# Altium PCB IFAT6.PcbDoc (part 2 of 5)
Units mil, origin at the board's own origin, x right, y up, seen from the top; angles counter-clockwise.
Board outline 8050 x 4300 mil, 6 copper layers (Top Digital, Digital, GND, Analog 1, Analog 2, Bottom Analog), stack 61.068 mil thick; 589 components, 259 nets, 1804 pads, 310 vias.
Unrouted connection lines stored in the file: 819.
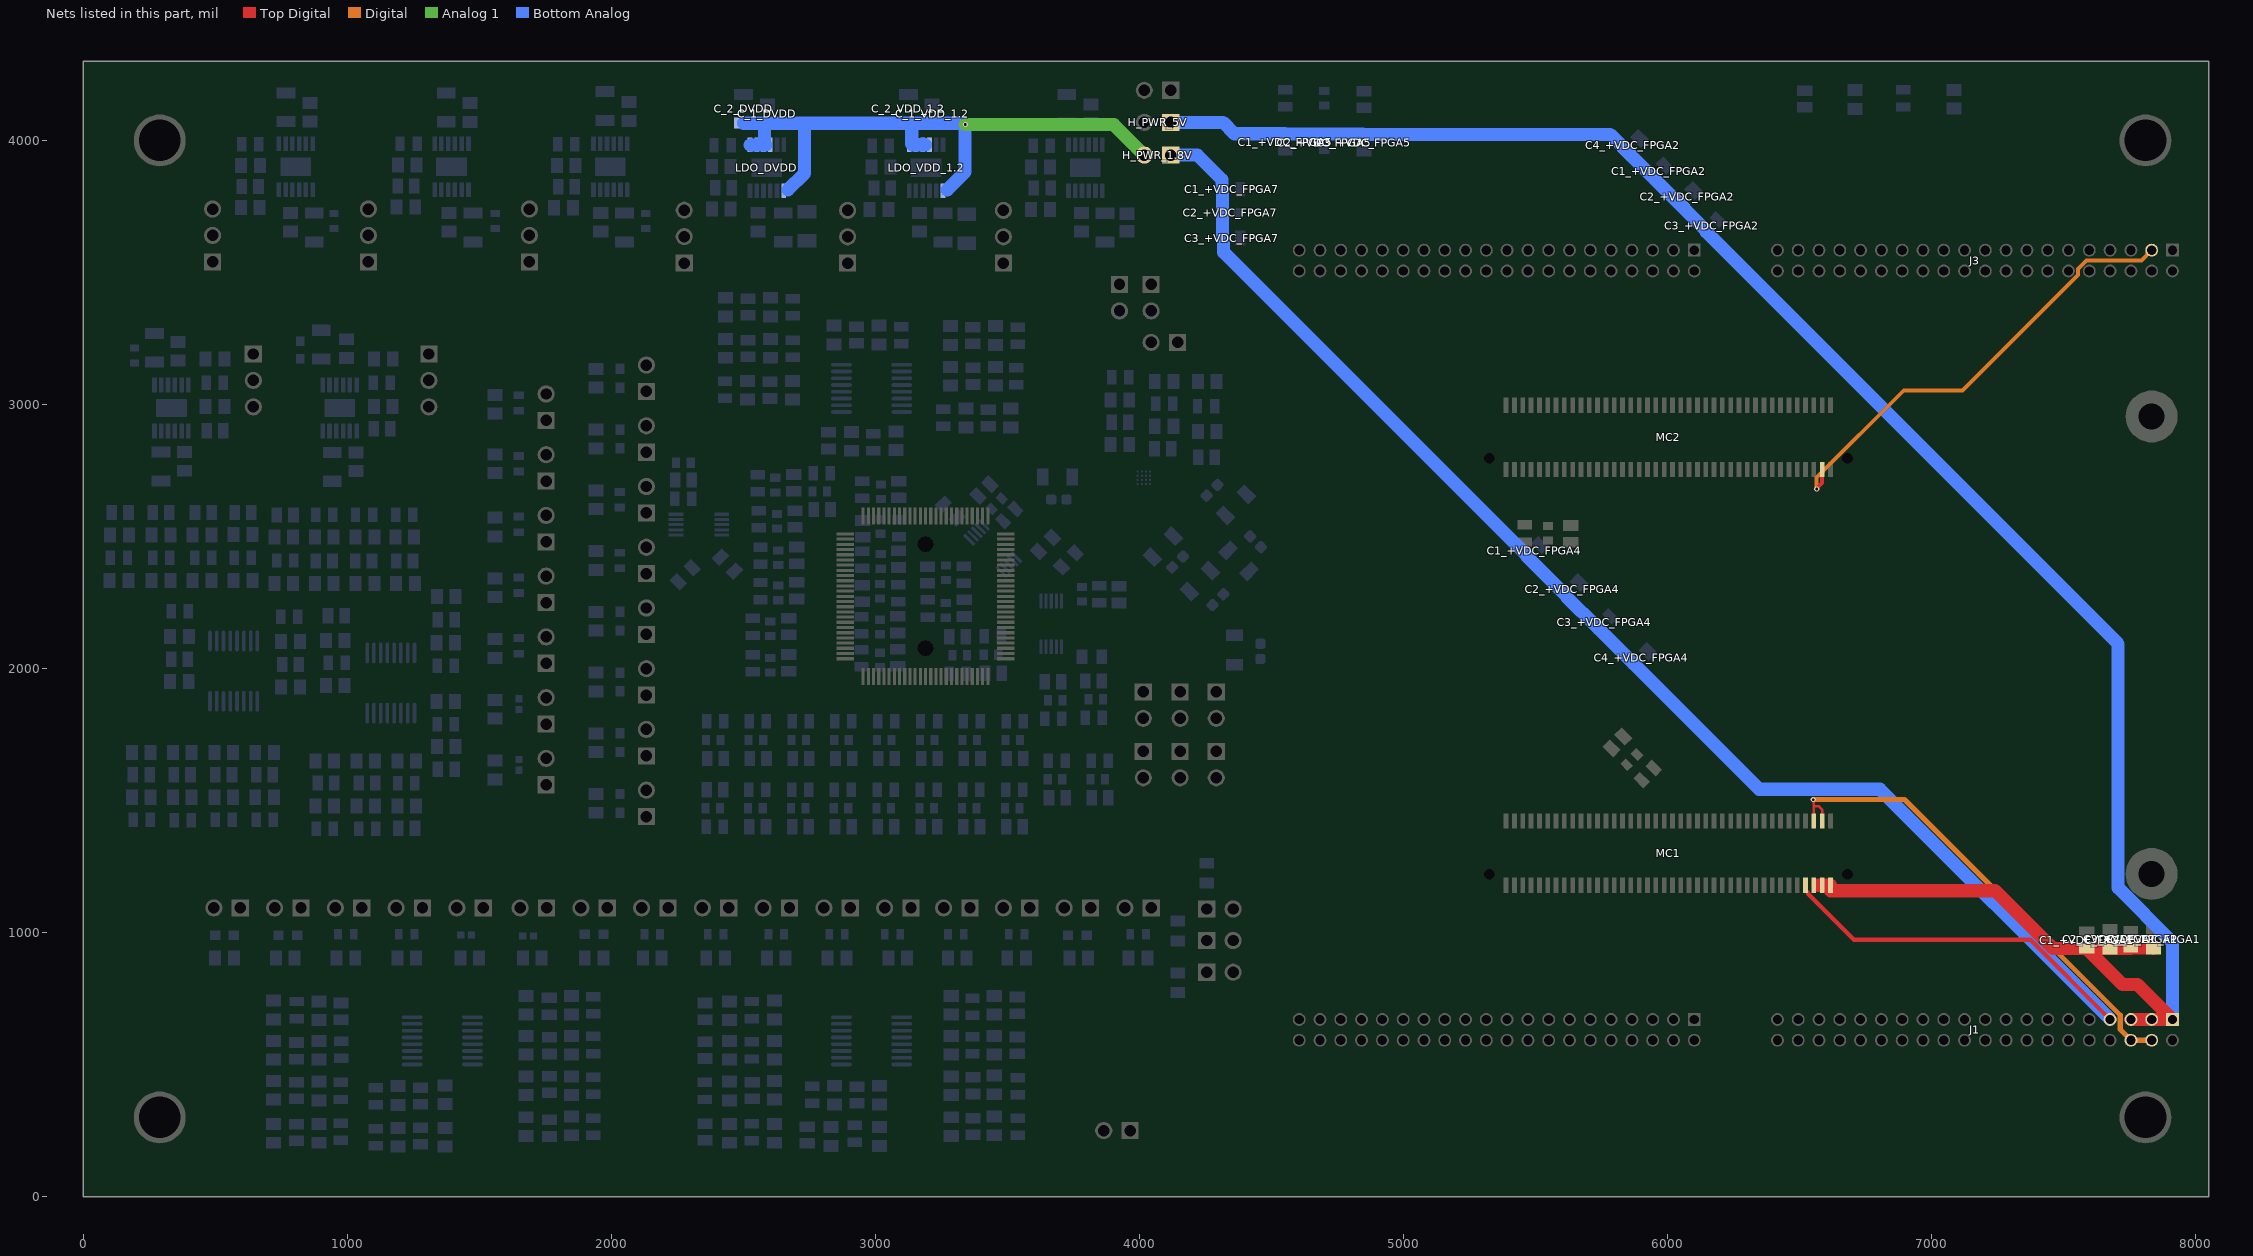
[diagram p6: the nets of this part, all layers, seen from the top]

## Components (designator, comment, footprint, x,y, rotation, side; value= is the part's Value field where it differs from the comment) (continued)
C4_VDC_DAC4 "Cap 100uF 0805" "KEMET C0805C104J8RACTU" 364.41,1950 r180 bottom value="100 uF" (schematic designator C4)
C4_VDC_DAC5 "Cap 100uF 0805" "KEMET C0805C104J8RACTU" 3015.92,384.38 r270 bottom value="100 uF" (schematic designator C4)
C4_VDD_1.2_DAC "Cap 100uF 0805" "KEMET C0805C104J8RACTU" 605,2332.5 r180 bottom value="100 uF" (schematic designator C4)
C4_VPDN_DAC "Cap 100uF 0805" "KEMET C0805C104J8RACTU" 1067.2,2322.5 r180 bottom value="100 uF" (schematic designator C4)
C4_Vpup_arb_DAC "Cap 100uF 0805" "KEMET C0805C104J8RACTU" 450,2332.5 r180 bottom value="100 uF" (schematic designator C4)
C4_VpupReq_DAC "Cap 100uF 0805" "KEMET C0805C104J8RACTU" 295,2332.5 r180 bottom value="100 uF" (schematic designator C4)
C4_VREF_1.8_DAC "Cap 100uF 0805" "KEMET C0805C104J8RACTU" 2432.5,3212.2 r90 bottom value="100 uF" (schematic designator C4)
C4_VREF_2_DAC "Cap 100uF 0805" "KEMET C0805C104J8RACTU" 2685.67,3053.71 r270 bottom value="100 uF" (schematic designator C4)
C4_VREF_DAC1 "Cap 100uF 0805" "KEMET C0805C104J8RACTU" 2843.52,3262.79 r90 bottom value="100 uF" (schematic designator C4)
C4_VREF_DAC2 "Cap 100uF 0805" "KEMET C0805C104J8RACTU" 2617.5,706.7 r270 bottom value="100 uF" (schematic designator C4)
C4_VREF_DAC3 "Cap 100uF 0805" "KEMET C0805C104J8RACTU" 720.04,706.7 r270 bottom value="100 uF" (schematic designator C4)
C4_VREF_DAC4 "Cap 100uF 0805" "KEMET C0805C104J8RACTU" 1375,2272.5 r0 bottom value="100 uF" (schematic designator C4)
C4_VREF_DAC5 "Cap 100uF 0805" "KEMET C0805C104J8RACTU" 3926.2,2847.54 r180 bottom value="100 uF" (schematic designator C4)
C4_VREFR_DAC "Cap 100uF 0805" "KEMET C0805C104J8RACTU" 1677.46,724.93 r90 bottom value="100 uF" (schematic designator C4)
C4_VRESET_DAC "Cap 100uF 0805" "KEMET C0805C104J8RACTU" 912.93,2322.5 r180 bottom value="100 uF" (schematic designator C4)
C4_VSPIKE_DAC "Cap 100uF 0805" "KEMET C0805C104J8RACTU" 720.04,402.8 r270 bottom value="100 uF" (schematic designator C4)
C4_VSS_SYN_DAC "Cap 100uF 0805" "KEMET C0805C104J8RACTU" 1677.46,572.8 r270 bottom value="100 uF" (schematic designator C4)
C4_VTAU0_DAC "Cap 100uF 0805" "KEMET C0805C104J8RACTU" 2447.5,554.49 r270 bottom value="100 uF" (schematic designator C4)
C4_VTAU1_DAC "Cap 100uF 0805" "KEMET C0805C104J8RACTU" 2617.5,402.8 r270 bottom value="100 uF" (schematic designator C4)
C4_VTAU2_DAC "Cap 100uF 0805" "KEMET C0805C104J8RACTU" 2617.5,239.49 r270 bottom value="100 uF" (schematic designator C4)
C4_VTAU3_DAC "Cap 100uF 0805" "KEMET C0805C104J8RACTU" 2832.54,227.93 r270 bottom value="100 uF" (schematic designator C4)
C4_VTHRESH_DAC "Cap 100uF 0805" "KEMET C0805C104J8RACTU" 760,2322.5 r180 bottom value="100 uF" (schematic designator C4)
C4_WBIAS_DAC "Cap 100uF 0805" "KEMET C0805C104J8RACTU" 687.2,1682.5 r0 bottom value="100 uF" (schematic designator C4)
C4_WBIAS_HI_DAC "Cap 100uF 0805" "KEMET C0805C104J8RACTU" 220,1682.46 r180 bottom value="100 uF" (schematic designator C4)
C4_WBIAS_LO_DAC "Cap 100uF 0805" "KEMET C0805C104J8RACTU" 375,1682.46 r180 bottom value="100 uF" (schematic designator C4)
C_1_AVDD "Cap 100nF 0805" "KEMET C0805C104J8RACTU" 2066.51,4109.4 r90 bottom value="100 nF" (schematic designator C_1)
C_1_DVDD "Cap 100nF 0805" "KEMET C0805C104J8RACTU" 2591.29,4100.45 r90 bottom value="100 nF" (schematic designator C_1)
C_1_DVDD_HIGH "Cap 100nF 0805" "KEMET C0805C104J8RACTU" 858.23,4106.48 r90 bottom value="100 nF" (schematic designator C_1)
C_1_EVDD "Cap 100nF 0805" "KEMET C0805C104J8RACTU" 1465,4105.49 r90 bottom value="100 nF" (schematic designator C_1)
C_1_VDD_1.2 "Cap 100nF 0805" "KEMET C0805C104J8RACTU" 3215,4100.45 r90 bottom value="100 nF" (schematic designator C_1)
C_1_VDD_3.3 "Cap 100nF 0805" "KEMET C0805C104J8RACTU" 3816.46,4100.45 r90 bottom value="100 nF" (schematic designator C_1)
C_1_VREF_1.8 "Cap 100nF 0805" "KEMET C0805C104J8RACTU" 384.37,2784.29 r270 bottom value="100 nF" (schematic designator C_1)
C_1_VREF_2v "Cap 100nF 0805" "KEMET C0805C104J8RACTU" 1032.5,2782.8 r270 bottom value="100 nF" (schematic designator C_1)
C_2_AVDD "Cap 100uF 1206" "Taiyo Yuden JMK316ABJ107ML-T" 1976.51,4130.27 r90 bottom value=100uF (schematic designator C_2)
C_2_DVDD "Cap 100uF 1206" "Taiyo Yuden JMK316ABJ107ML-T" 2501.29,4120 r90 bottom value=100uF (schematic designator C_2)
C_2_DVDD_HIGH "Cap 100uF 1206" "Taiyo Yuden JMK316ABJ107ML-T" 768.23,4125.81 r90 bottom value=100uF (schematic designator C_2)
C_2_EVDD "Cap 100uF 1206" "Taiyo Yuden JMK316ABJ107ML-T" 1375,4124.82 r90 bottom value=100uF (schematic designator C_2)
C_2_VDD_1.2 "Cap 100uF 1206" "Taiyo Yuden JMK316ABJ107ML-T" 3125,4120 r90 bottom value=100uF (schematic designator C_2)
C_2_VDD_3.3 "Cap 100uF 1206" "Taiyo Yuden JMK316ABJ107ML-T" 3725,4120 r90 bottom value=100uF (schematic designator C_2)
C_2_VREF_1.8 "Cap 100uF 1206" "Taiyo Yuden JMK316ABJ107ML-T" 294.37,2765 r270 bottom value=100uF (schematic designator C_2)
C_2_VREF_2v "Cap 100uF 1206" "Taiyo Yuden JMK316ABJ107ML-T" 943.42,2763.5 r270 bottom value=100uF (schematic designator C_2)
C_3_AVDD "Cap 100nF 0805" "KEMET C0805C104J8RACTU" 1960,3690 r270 bottom value="100 nF" (schematic designator C_3)
C_3_DVDD "Cap 100nF 0805" "KEMET C0805C104J8RACTU" 2556.29,3690.45 r270 bottom value="100 nF" (schematic designator C_3)
C_3_DVDD_HIGH "Cap 100nF 0805" "KEMET C0805C104J8RACTU" 785,3690 r270 bottom value="100 nF" (schematic designator C_3)
C_3_EVDD "Cap 100nF 0805" "KEMET C0805C104J8RACTU" 1385,3690 r270 bottom value="100 nF" (schematic designator C_3)
C_3_VDD_1.2 "Cap 100nF 0805" "KEMET C0805C104J8RACTU" 3166.68,3690.21 r270 bottom value="100 nF" (schematic designator C_3)
C_3_VDD_3.3 "Cap 100nF 0805" "KEMET C0805C104J8RACTU" 3780,3690.21 r270 bottom value="100 nF" (schematic designator C_3)
C_3_VREF_1.8 "Cap 100nF 0805" "KEMET C0805C104J8RACTU" 359.37,3201.5 r90 bottom value="100 nF" (schematic designator C_3)
C_3_VREF_2v "Cap 100nF 0805" "KEMET C0805C104J8RACTU" 996.58,3211.5 r90 bottom value="100 nF" (schematic designator C_3)
C_4_AVDD "Cap 100uF 1206" "Taiyo Yuden JMK316ABJ107ML-T" 2050,3670 r270 bottom value=100uF (schematic designator C_4)
C_4_DVDD "Cap 100uF 1206" "Taiyo Yuden JMK316ABJ107ML-T" 2651.29,3670.45 r270 bottom value=100uF (schematic designator C_4)
C_4_DVDD_HIGH "Cap 100uF 1206" "Taiyo Yuden JMK316ABJ107ML-T" 875,3670 r270 bottom value=100uF (schematic designator C_4)
C_4_EVDD "Cap 100uF 1206" "Taiyo Yuden JMK316ABJ107ML-T" 1476.05,3670 r270 bottom value=100uF (schematic designator C_4)
C_4_VDD_1.2 "Cap 100uF 1206" "Taiyo Yuden JMK316ABJ107ML-T" 3256.68,3669.76 r270 bottom value=100uF (schematic designator C_4)
C_4_VDD_3.3 "Cap 100uF 1206" "Taiyo Yuden JMK316ABJ107ML-T" 3870,3669.76 r270 bottom value=100uF (schematic designator C_4)
C_4_VREF_1.8 "Cap 100uF 1206" "Taiyo Yuden JMK316ABJ107ML-T" 269.37,3215 r90 bottom value=100uF (schematic designator C_4)
C_4_VREF_2v "Cap 100uF 1206" "Taiyo Yuden JMK316ABJ107ML-T" 901.58,3226.5 r90 bottom value=100uF (schematic designator C_4)
C_ADC1 "Cap" THERM_NCP18XH103F03RB 4275,2675 r45 bottom value=680pF
C_ADC2 "Cap" THERM_NCP18XH103F03RB 4440,2480 r315 bottom value=680pF
C_ADC3 "Cap" THERM_NCP18XH103F03RB 4458.22,2065 r270 bottom value=680pF
C_ADC4 "Cap" THERM_NCP18XH103F03RB 4144.7,2403.92 r225 bottom value=680pF
C_ADC5 "Cap" THERM_NCP18XH103F03RB 4297.38,2260.55 r225 bottom value=680pF
C_ADC6 "Cap" THERM_NCP18XH103F03RB 3695,2640 r180 bottom value=680pF
C_ELEAK "Cap 100nF 0805" "KEMET C0805C104J8RACTU" 3770.43,903.37 r180 bottom value="100 nF"
C_EREV0 "Cap 100nF 0805" "KEMET C0805C104J8RACTU" 1942.79,1489.17 r90 bottom value="100 nF"
C_EREV1 "Cap 100nF 0805" "KEMET C0805C104J8RACTU" 1942.79,1719.17 r90 bottom value="100 nF"
C_EREV2 "Cap 100nF 0805" "KEMET C0805C104J8RACTU" 1942.79,1949.17 r90 bottom value="100 nF"
C_EREV3 "Cap 100nF 0805" "KEMET C0805C104J8RACTU" 1942.79,2179.17 r90 bottom value="100 nF"
C_GCOMP "Cap 100nF 0805" "KEMET C0805C104J8RACTU" 3995,903.37 r180 bottom value="100 nF"
C_GLEAKD "Cap 100nF 0805" "KEMET C0805C104J8RACTU" 3535,903.37 r180 bottom value="100 nF"
C_GLEAKP "Cap 100nF 0805" "KEMET C0805C104J8RACTU" 3310,903.37 r180 bottom value="100 nF"
C_SYN_DRIVELO "Cap 100nF 0805" "KEMET C0805C104J8RACTU" 765,903.37 r180 bottom value="100 nF"
C_VAMP_HIGH "Cap 100nF 0805" "KEMET C0805C104J8RACTU" 1463.8,903.37 r180 bottom value="100 nF"
C_VAMP_LOW "Cap 100nF 0805" "KEMET C0805C104J8RACTU" 1700.43,903.37 r180 bottom value="100 nF"
C_VBIAS "Cap 100nF 0805" "KEMET C0805C104J8RACTU" 1942.79,2639.17 r90 bottom value="100 nF"
C_VBIAS_BUFF "Cap 100nF 0805" "KEMET C0805C104J8RACTU" 995,903.37 r180 bottom value="100 nF"
C_VBIAS_SF "Cap 100nF 0805" "KEMET C0805C104J8RACTU" 1225,903.37 r180 bottom value="100 nF"
C_VBP "Cap 100nF 0805" "KEMET C0805C104J8RACTU" 1559.27,2535.66 r90 bottom value="100 nF"
C_VIN_IBIAS "Cap 100nF 0805" "KEMET C0805C104J8RACTU" 1559.27,2075.66 r90 bottom value="100 nF"
C_VPDN "Cap 100nF 0805" "KEMET C0805C104J8RACTU" 1942.79,2409.17 r90 bottom value="100 nF"
C_Vpup_arb "Cap 100nF 0805" "KEMET C0805C104J8RACTU" 1559.27,3001.09 r90 bottom value="100 nF"
C_VpupReq "Cap 100nF 0805" "KEMET C0805C104J8RACTU" 1559.27,2775.66 r90 bottom value="100 nF"
C_VREFR "Cap 100nF 0805" "KEMET C0805C104J8RACTU" 3085,903.37 r180 bottom value="100 nF"
C_VRESET "Cap 100nF 0805" "KEMET C0805C104J8RACTU" 1942.79,2869.17 r90 bottom value="100 nF"
C_VSPIKE "Cap 100nF 0805" "KEMET C0805C104J8RACTU" 535,903.37 r180 bottom value="100 nF"
C_VSS_SYN "Cap 100nF 0805" "KEMET C0805C104J8RACTU" 1935,903.37 r180 bottom value="100 nF"
C_VTAU0 "Cap 100nF 0805" "KEMET C0805C104J8RACTU" 2855,903.37 r180 bottom value="100 nF"
C_VTAU1 "Cap 100nF 0805" "KEMET C0805C104J8RACTU" 2625,903.37 r180 bottom value="100 nF"
C_VTAU2 "Cap 100nF 0805" "KEMET C0805C104J8RACTU" 2395,903.37 r180 bottom value="100 nF"
C_VTAU3 "Cap 100nF 0805" "KEMET C0805C104J8RACTU" 2155,903.37 r180 bottom value="100 nF"
C_VTHRESH "Cap 100nF 0805" "KEMET C0805C104J8RACTU" 1942.79,3099.17 r90 bottom value="100 nF"
C_VWIDTH_HI "Cap 100nF 0805" "KEMET C0805C104J8RACTU" 1559.27,1615.66 r90 bottom value="100 nF"
C_VWIDTH_LO "Cap 100nF 0805" "KEMET C0805C104J8RACTU" 1559.27,1845.66 r90 bottom value="100 nF"
C_WIDTH_BIAS "Cap 100nF 0805" "KEMET C0805C104J8RACTU" 1559.27,2305.66 r90 bottom value="100 nF"
DAC1 "DAC8568IAPW" TI-PW16_M 2986.02,3060.78 r0 bottom
DAC2 "DAC8568IAPW" TI-PW16_M 2985.91,590 r0 bottom locked
DAC3 "DAC8568IAPW" TI-PW16_M 1360,590 r0 bottom locked
DAC4 "DAC8568IAPW" TI-PW16_M 1165,1945 r270 bottom
DAC5 "DAC8568IAPW" TI-PW16_M 570,1990 r270 bottom
H_AVDD "HEADER 3X1 TMT" "Samtec TSW-103-07-L-S" 1690,3540 r90 top
H_DVDD "HEADER 3X1 TMT" "Samtec TSW-103-07-L-S" 2276.29,3535.45 r90 top
H_DVDD_HIGH "HEADER 3X1 TMT" "Samtec TSW-103-07-L-S" 490,3540 r90 top
H_ELEAK "HEADER 2X1 TMT" "Samtec TSW-102-07-G-S" 3815,1093.37 r180 top
H_EREV0 "HEADER 2X1 TMT" "Samtec TSW-102-07-G-S" 2132.79,1439.17 r90 top
H_EREV1 "HEADER 2X1 TMT" "Samtec TSW-102-07-G-S" 2132.79,1669.17 r90 top
H_EREV2 "HEADER 2X1 TMT" "Samtec TSW-102-07-G-S" 2132.79,1899.17 r90 top
H_EREV3 "HEADER 2X1 TMT" "Samtec TSW-102-07-G-S" 2132.79,2129.17 r90 top
H_EVDD "HEADER 3X1 TMT" "Samtec TSW-103-07-L-S" 1080,3540 r90 top
H_GCOMP "HEADER 2X1 TMT" "Samtec TSW-102-07-G-S" 4045,1093.37 r180 top
H_GLEAKD "HEADER 2X1 TMT" "Samtec TSW-102-07-G-S" 3585,1093.37 r180 top
H_GLEAKP "HEADER 2X1 TMT" "Samtec TSW-102-07-G-S" 3358.52,1093.37 r180 top
H_PWR_1.8V "HEADER 2X1 TMT" "Samtec TSW-102-07-G-S" 4118.89,3944.28 r180 top
H_PWR_3.3V "HEADER 2X1 TMT" "Samtec TSW-102-07-G-S" 4118.52,4189.8 r180 top
H_PWR_5V "HEADER 2X1 TMT" "Samtec TSW-102-07-G-S" 4118.86,4068.19 r180 top
H_PWR_ADC "HEADER 2X1 TMT" "Samtec TSW-102-07-G-S" 4044.52,3454.46 r270 top
H_PWR_BUFF "HEADER 2X1 TMT" "Samtec TSW-102-07-G-S" 3924.52,3454.46 r270 top
H_PWR_DAC "HEADER 2X1 TMT" "Samtec TSW-102-07-G-S" 3965,250 r180 top
H_PWR_DAC1 "HEADER 2X1 TMT" "Samtec TSW-102-07-G-S" 4144.52,3235 r180 top
H_SHDN1 "HEADER 2X1 TMT" "Samtec TSW-102-07-G-S" 4255.05,849.83 r0 top
H_SHDN2 "HEADER 2X1 TMT" "Samtec TSW-102-07-G-S" 4255.05,1089.13 r0 top
H_SHDN3 "HEADER 2X1 TMT" "Samtec TSW-102-07-G-S" 4255.05,969.83 r0 top
H_SYN_DRIVELO "HEADER 2X1 TMT" "Samtec TSW-102-07-G-S" 825,1093.37 r180 top
H_V_U0 "HEADER 2X1 TMT" "Samtec TSW-102-07-G-S" 4154.22,1911.39 r270 top
H_V_U1 "HEADER 2X1 TMT" "Samtec TSW-102-07-G-S" 4154.22,1686.15 r270 top
H_V_U2 "HEADER 2X1 TMT" "Samtec TSW-102-07-G-S" 4291.03,1686.15 r270 top
H_V_U3 "HEADER 2X1 TMT" "Samtec TSW-102-07-G-S" 4014.79,1911.39 r270 top
H_VAMP_HIGH "HEADER 2X1 TMT" "Samtec TSW-102-07-G-S" 1515,1093.37 r180 top
H_VAMP_LOW "HEADER 2X1 TMT" "Samtec TSW-102-07-G-S" 1755,1093.37 r180 top
H_VBIAS "HEADER 2X1 TMT" "Samtec TSW-102-07-G-S" 2132.79,2589.17 r90 top
H_VBIAS_BUFF "HEADER 2X1 TMT" "Samtec TSW-102-07-G-S" 1055,1093.37 r180 top
H_VBIAS_SF "HEADER 2X1 TMT" "Samtec TSW-102-07-G-S" 1285,1093.37 r180 top
H_VBP "HEADER 2X1 TMT" "Samtec TSW-102-07-G-S" 1753.36,2479.65 r90 top
H_VDD_1.2 "HEADER 3X1 TMT" "Samtec TSW-103-07-L-S" 2895,3535 r90 top
H_VDD_3.3 "HEADER 3X1 TMT" "Samtec TSW-103-07-L-S" 3485,3535 r90 top
H_VEFR "HEADER 2X1 TMT" "Samtec TSW-102-07-G-S" 3135,1093.37 r180 top
H_VIN_IBIAS "HEADER 2X1 TMT" "Samtec TSW-102-07-G-S" 1753.36,2019.65 r90 top
H_VM_DISTAL "HEADER 2X1 TMT" "Samtec TSW-102-07-G-S" 4291.03,1911.39 r270 top
H_VM_PROXIMAL "HEADER 2X1 TMT" "Samtec TSW-102-07-G-S" 4014.79,1686.15 r270 top
H_VPDN "HEADER 2X1 TMT" "Samtec TSW-102-07-G-S" 2132.79,2359.17 r90 top
H_Vpup_arb "HEADER 2X1 TMT" "Samtec TSW-102-07-G-S" 1753.36,2939.65 r90 top
H_VpupReq "HEADER 2X1 TMT" "Samtec TSW-102-07-G-S" 1753.36,2709.65 r90 top
H_VREF_1.8 "HEADER 3X1 TMT" "Samtec TSW-103-07-L-S" 644.37,3191.01 r270 top
H_VREF_2 "HEADER 3X1 TMT" "Samtec TSW-103-07-L-S" 1309.08,3191.01 r270 top
H_VRESET "HEADER 2X1 TMT" "Samtec TSW-102-07-G-S" 2132.79,2819.17 r90 top
H_VSPIKE "HEADER 2X1 TMT" "Samtec TSW-102-07-G-S" 595,1093.37 r180 top
H_VSS_SYN "HEADER 2X1 TMT" "Samtec TSW-102-07-G-S" 1985,1093.37 r180 top
H_VTAU0 "HEADER 2X1 TMT" "Samtec TSW-102-07-G-S" 2905,1093.37 r180 top
H_VTAU1 "HEADER 2X1 TMT" "Samtec TSW-102-07-G-S" 2675,1093.37 r180 top
H_VTAU2 "HEADER 2X1 TMT" "Samtec TSW-102-07-G-S" 2445,1093.37 r180 top
H_VTAU3 "HEADER 2X1 TMT" "Samtec TSW-102-07-G-S" 2215,1093.37 r180 top
H_VTHRESH "HEADER 2X1 TMT" "Samtec TSW-102-07-G-S" 2132.79,3049.17 r90 top
H_VWIDTH_HI "HEADER 2X1 TMT" "Samtec TSW-102-07-G-S" 1753.36,1559.65 r90 top
H_VWIDTH_LO "HEADER 2X1 TMT" "Samtec TSW-102-07-G-S" 1753.36,1789.65 r90 top
H_WIDTH_BIAS "HEADER 2X1 TMT" "Samtec TSW-102-07-G-S" 1753.36,2249.65 r90 top
IFAT6 "SOCKET QFP_100" YAMAICHI_IC149-100-025-B5 3190,2273.37 r180 top locked
J1 "Header 20X2" "Samtec TMMH-120-01-F-D" 7912.27,670.88 r180 top locked
J2 "Header 20X2" "Samtec TMMH-120-01-F-D" 6101.24,670.88 r180 top locked
J3 "Header 20X2" "Samtec TMMH-120-01-F-D" 7912.27,3584.27 r180 top locked
J4 "Header 20X2" "Samtec TMMH-120-01-F-D" 6101.24,3584.27 r180 top locked
LDO_AVDD "LT3045" "ADI LT3045IMSE#PBF" 1996.51,3900.45 r270 bottom (schematic designator LDO)
LDO_DVDD "LT3045" "ADI LT3045IMSE#PBF" 2589.08,3896.49 r270 bottom (schematic designator LDO)
LDO_DVDD_HIGH "LT3045" "ADI LT3045IMSE#PBF" 805,3900 r270 bottom (schematic designator LDO)
LDO_EVDD "LT3045" "ADI LT3045IMSE#PBF" 1395,3900.45 r270 bottom (schematic designator LDO)
LDO_VDD_1.2 "LT3045" "ADI LT3045IMSE#PBF" 3191.98,3896.49 r270 bottom (schematic designator LDO)
LDO_VDD_3.3 "LT3045" "ADI LT3045IMSE#PBF" 3795.62,3896.49 r270 bottom (schematic designator LDO)
LDO_VREF_1.8 "LT3045" "ADI LT3045IMSE#PBF" 334.37,2986.01 r90 bottom (schematic designator LDO)
LDO_VREF_2v "LT3045" "ADI LT3045IMSE#PBF" 971.58,2986.01 r90 bottom (schematic designator LDO)
MC1 "BTE/BSE-040" "Samtec BTE-040-01-L-D-A" 6002.94,1300.69 r180 top locked
MC2 "BTE/BSE-040" "Samtec BTE-040-01-L-D-A" 6002.94,2875.49 r180 top locked
R_ADC1 "0" RESC3216X70X50NL05T20 4365,2620 r225 bottom
R_ADC2 "0" RESC3216X70X50NL05T20 4375.74,2407.67 r135 bottom
R_ADC3 "0" RESC3216X70X50NL05T20 4360,2070 r90 bottom
R_ADC4 "0" RESC3216X70X50NL05T20 4089.15,2461.51 r45 bottom
R_ADC5 "0" RESC3216X70X50NL05T20 4229.14,2331.21 r225 bottom
R_ADC6 "0" RESC3216X70X50NL05T20 3690,2725 r180 bottom
R_AVDD "18k" ERA3KV_(0603) 2130,3695 r90 bottom
R_COMP "1M" FP-CRCW0603-e3-MFG 3995,993.37 r0 bottom
R_DVDD "ERA8AEB123V" RESC3216X70X50NL20T25 2741.29,3675.45 r90 bottom
R_DVDD_HIGH "18k" ERA3KV_(0603) 950,3695 r90 bottom
R_ELEAK "RP73PF1J499RBTDF" FP-RP73P-1J-MFG 3765,989.43 r180 bottom value=499Ω
R_EREV0 "RP73PF1J499RBTDF" FP-RP73P-1J-MFG 2032.79,1489.17 r90 bottom value=499Ω
R_EREV1 "RP73PF1J499RBTDF" FP-RP73P-1J-MFG 2032.79,1719.17 r90 bottom value=499Ω
R_EREV2 "RP73PF1J499RBTDF" FP-RP73P-1J-MFG 2032.79,1949.17 r90 bottom value=499Ω
R_EREV3 "RP73PF1J499RBTDF" FP-RP73P-1J-MFG 2032.79,2179.17 r90 bottom value=499Ω
R_EVDD "18k" ERA3KV_(0603) 1560,3695 r90 bottom
R_GLEAKD "1M" FP-CRCW0603-e3-MFG 3535,993.37 r0 bottom
R_GLEAKP "1M" FP-CRCW0603-e3-MFG 3305,993.37 r0 bottom
R_SHDN1 "Res 1M 0.1% 0805" "Panasonic ERA-6A Series Resistor" 4145,810 r270 bottom value=1M
R_SHDN2 "Res 1M 0.1% 0805" "Panasonic ERA-6A Series Resistor" 4255,1225 r90 bottom value=1M
R_SHDN3 "Res 1M 0.1% 0805" "Panasonic ERA-6A Series Resistor" 4145,1005.75 r90 bottom value=1M
R_SYN_DRIVELO "RP73PF1J499RBTDF" FP-RP73P-1J-MFG 775,989.72 r180 bottom value=499Ω
R_V_U0 "Res 1M 0.1% 0805" "Panasonic ERA-6A Series Resistor" 3730.94,2411.63 r45 bottom value=1M
R_V_U1 "Res 1M 0.1% 0805" "Panasonic ERA-6A Series Resistor" 3820,2045 r0 bottom value=1M
R_V_U2 "Res 1M 0.1% 0805" "Panasonic ERA-6A Series Resistor" 3644.45,2469.91 r45 bottom value=1M
R_V_U3 "Res 1M 0.1% 0805" "Panasonic ERA-6A Series Resistor" 2440,2395 r315 bottom value=1M
R_VAMP_HIGH "RN731ETTP50R0F50" FP-RN731E-IPC_A 1450,990 r180 bottom
R_VAMP_LOW "RN731ETTP50R0F50" FP-RN731E-IPC_A 1684.76,986.54 r180 bottom
R_VBIAS "1M" FP-CRCW0603-e3-MFG 2032.79,2639.17 r270 bottom
R_VBIAS_BUFF "1M" FP-CRCW0603-e3-MFG 995,993.37 r0 bottom
R_VBIAS_SF "1M" FP-CRCW0603-e3-MFG 1225,993.37 r0 bottom
R_VBP "1M" FP-CRCW0603-e3-MFG 1649.27,2545.66 r270 bottom
R_VDD_1.2 "ERA8AEB123V" RESC3216X70X50NL20T25 3346.68,3665.21 r90 bottom
R_VDD_3.3 "ERA6AEB333V" RESC2013X60X40NL20T25 3952.46,3688.83 r90 bottom
R_VIN_IBIAS "1M" FP-CRCW0603-e3-MFG 1649.27,2085.66 r270 bottom
R_VM_DISTAL "Res 1M 0.1% 0805" "Panasonic ERA-6A Series Resistor" 3283.91,2595.89 r135 bottom value=1M
R_VM_PROXIMAL "Res 1M 0.1% 0805" "Panasonic ERA-6A Series Resistor" 2280,2355 r225 bottom value=1M
R_VPDN "1M" FP-CRCW0603-e3-MFG 2032.79,2409.17 r270 bottom
R_Vpup_arb "1M" FP-CRCW0603-e3-MFG 1649.27,3005.66 r270 bottom
R_VpupReq "1M" FP-CRCW0603-e3-MFG 1649.27,2775.66 r270 bottom
R_VREF_1.8 "18k" ERA3KV_(0603) 194.37,3185 r270 bottom
R_VREF_2v "20k" FP-RT0603-MFG 821.58,3206.5 r270 bottom value=20KΩ